# KiCad board cleanrobot-square-main.kicad_pcb
title: EHDS-04-Main; date: 2024-01-20; rev: V0.7.2; company: 奥瓦机器人; note: 115x59x1.6mm 绿油白字，无铅喷锡
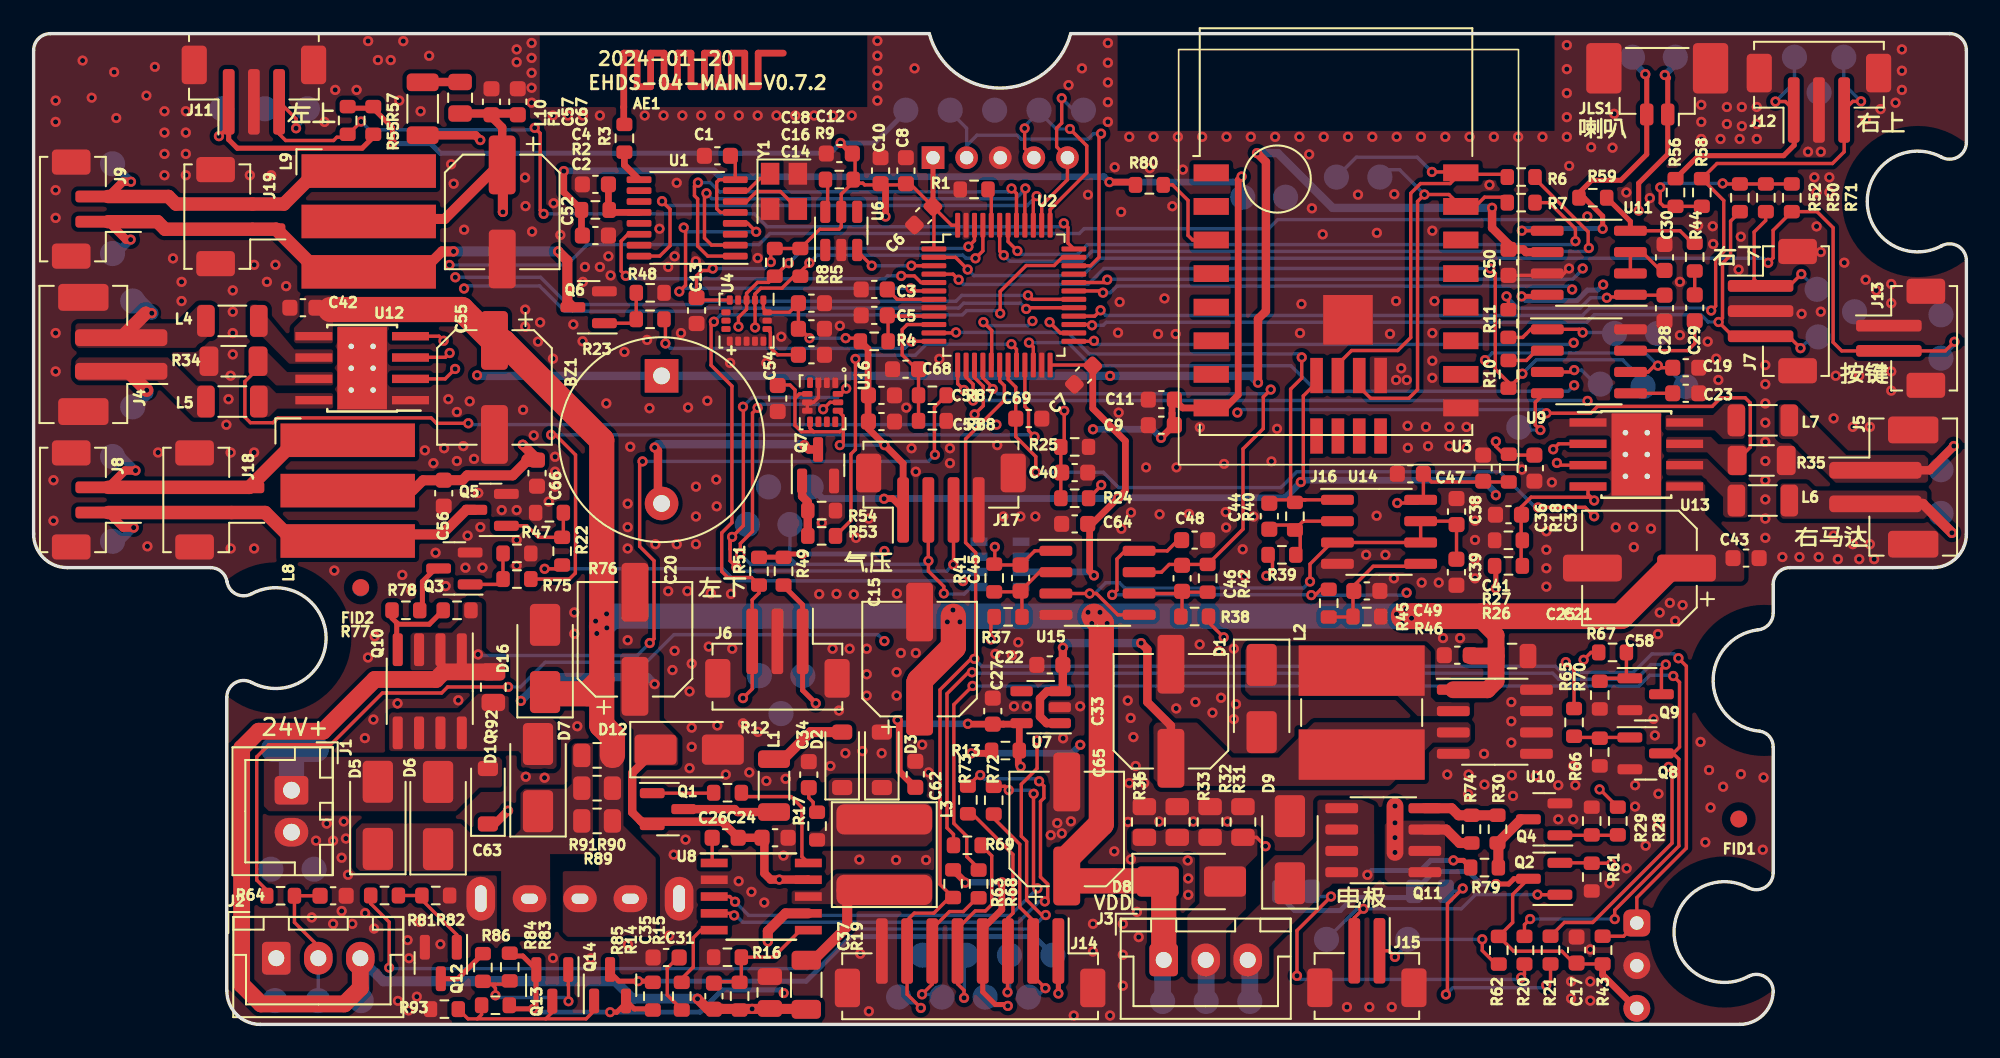
[diagram p0: board, top side]
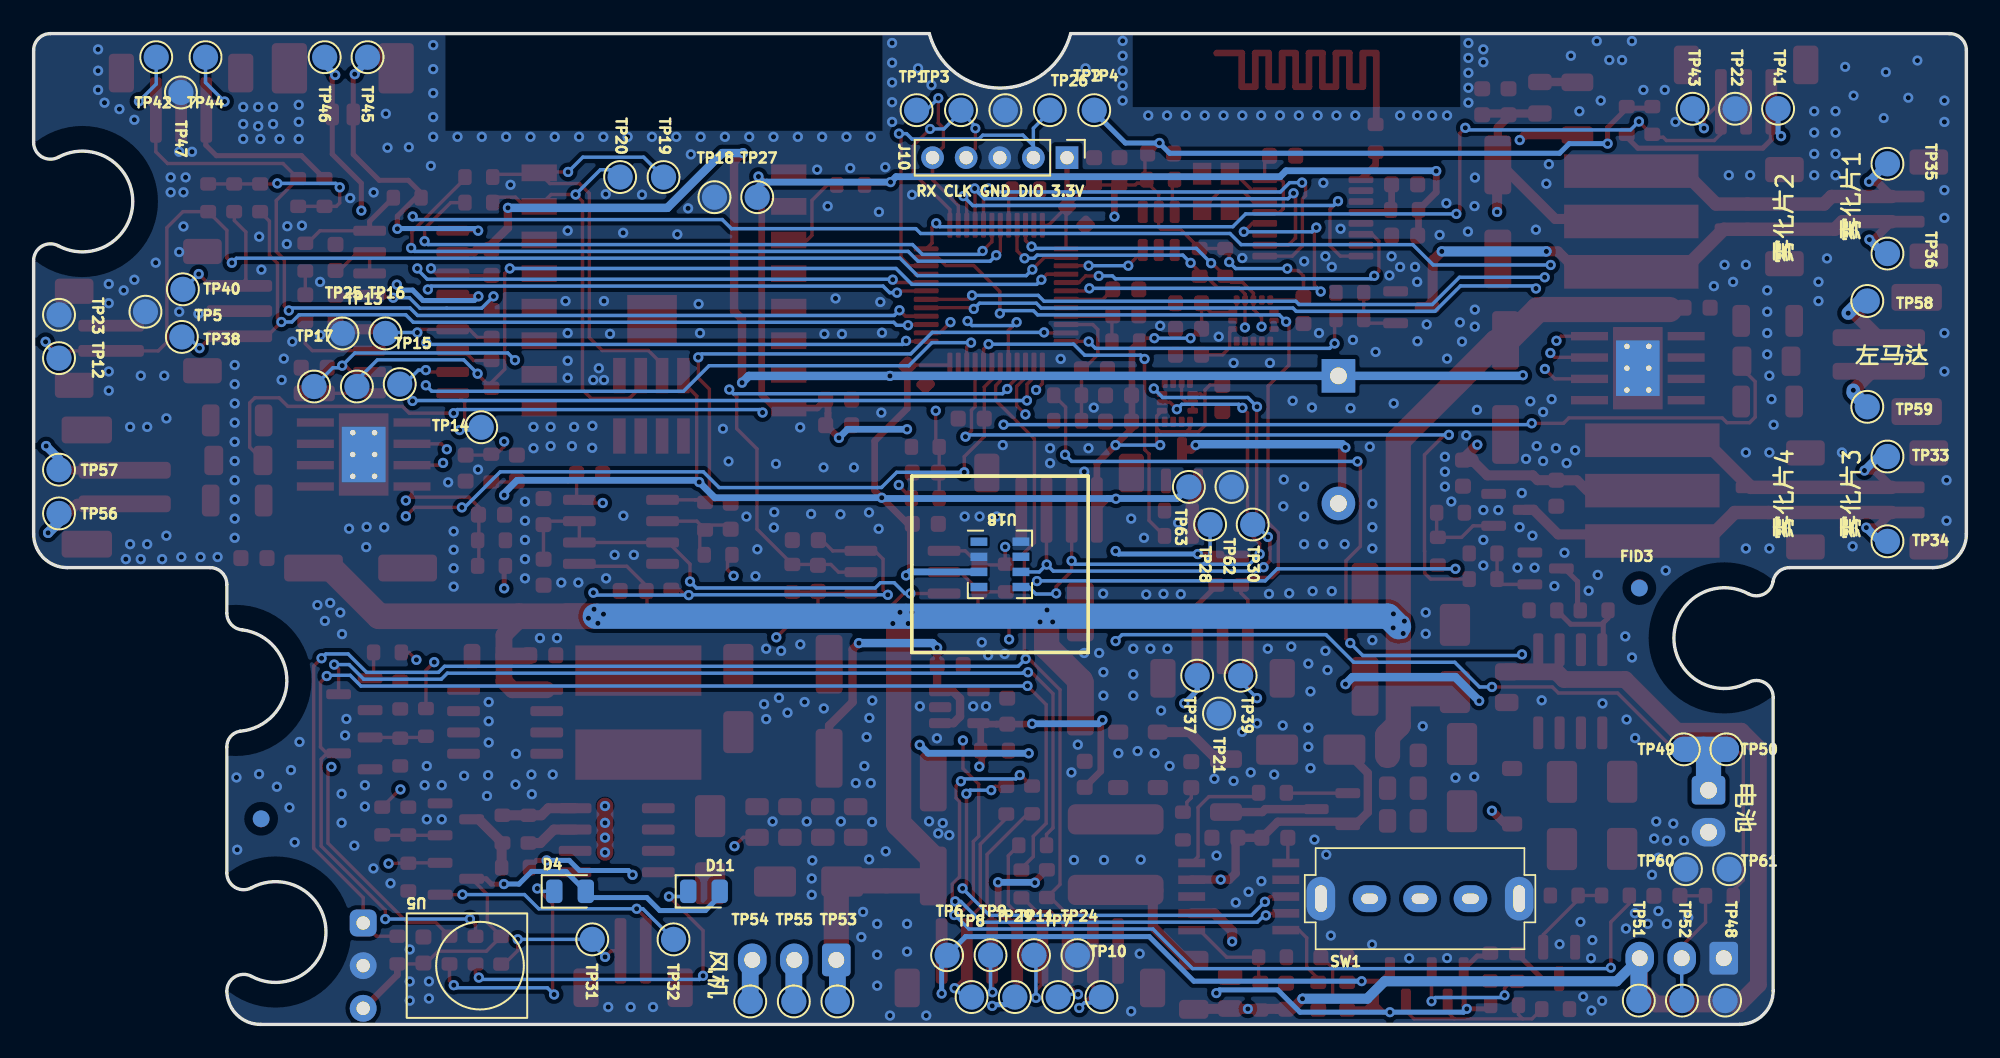
[diagram p1: board, bottom side, seen from below]

Outline 115 x 59 mm; copper layers: Top, In1.Cu, In2.Cu, Bottom. Coordinates in mm from the lower left corner of the outline.
Outline path: 2,27.2 10.52,27.2 arc(11.17,26.96) 11.51,26.36 arc(12.05,25.62) 12.97,25.64 arc(17.4,23.01) 12.98,20.36 ; 2,27.2 arc(0.59,27.79) 0,29.2 0,29.24 0,58 arc(0.29,58.71) 1,59 53.3,59 arc(57.5,55.75) 61.7,59 114,59 arc(114.71,58.71) 115,58 115,52.52 arc(114.51,51.66) 113.53,51.64 arc(109.1,49) 113.53,46.36 arc(114.51,46.34) 115,45.48 115,29.2 arc(114.41,27.79) 113,27.2 104.5,27.2 arc(103.8,26.91) 103.5,26.2 103.5,24.49 arc(103.24,23.81) 102.58,23.49 arc(99.93,20.42) 102.71,17.46 arc(103.29,17.14) 103.5,16.51 103.5,9.02 arc(103.02,8.16) 102.03,8.14 ; 12.97,20.36 arc(11.98,20.34) 11.5,19.48 11.5,2 arc(12.08,0.59) 13.5,0 101.5,0 arc(102.9,0.57) 103.5,1.96 arc(103.02,2.83) 102.03,2.86 ; 102.03,2.86 arc(97.6,5.5) 102.03,8.14
Stack: Top 0.035mm / dielectric 0.1mm FR4 er 4.5 / In1.Cu 0.035mm / dielectric 1.24mm FR4 er 4.5 / In2.Cu 0.035mm / dielectric 0.1mm FR4 er 4.5 / Bottom 0.035mm

## Placement (name value [footprint] x y rotation side)
AE1  Antenna  [Ovo_PA2401_2.4GHz_Right]  35.11 54.62 0 top
BZ1  85dB/5V  [Buzzer_12x9.5RM7.6]  37.36 38.62 270 top
C1  1uF  [C_0603_1608Metric]  40.68 51.72 180 top
C2  1uF  [C_0603_1608Metric]  33.43 46.97 0 top
C3  0.1uF  [C_0603_1608Metric]  50.02 43.76 0 top
C4  0.1uF  [C_0603_1608Metric]  33.43 50.02 180 top
C5  0.1uF  [C_0603_1608Metric]  50.02 42.22 0 top
C6  0.1uF  [C_0603_1608Metric]  52.96 48.15 45 top
C7  0.1uF  [C_0603_1608Metric]  62.47 38.67 45 top
C8  0.1uF  [C_0603_1608Metric]  51.9 50.84 270 top
C9  1uF  [C_0603_1608Metric]  67.1 35.68 180 top
C10  4.7uF  [C_0603_1608Metric]  50.39 50.84 270 top
C11  0.1uF  [C_0603_1608Metric]  67.1 37.2 180 top
C12  0.1uF  [C_0603_1608Metric]  47.94 51.86 180 top
C13  10nF  [C_0603_1608Metric]  39.44 42.51 90 top
C14  0.47uF  [C_0603_1608Metric]  46.28 39.87 180 top
C15  100uF/35V  [CP_Elec_6.3x5.4]  52.72 21.76 90 top
C16  0.1uF  [C_0603_1608Metric]  46.28 41.42 180 top
C17  0.1uF  [C_0603_1608Metric]  91.81 4.43 90 top
C18  2.2uF  [C_0603_1608Metric]  46.28 42.95 180 top
C19  10uF  [C_0603_1608Metric]  98.3 39.1 0 top
C20  100uF/35V  [CP_Elec_6.3x5.4]  35.78 22.93 90 top
C21  10uF/35V  [C_0805_2012Metric]  87.97 21.93 0 top
C22  1uF  [C_0603_1608Metric]  60.47 21.41 180 top
C23  1nF  [C_0603_1608Metric]  98.3 37.58 0 top
C24  0.1uF  [C_0603_1608Metric]  44.12 11.12 0 top
C25  1uF  [C_0603_1608Metric]  84.71 21.98 180 top
C26  0.1uF  [C_0603_1608Metric]  41.15 11.11 180 top
C27  1uF  [C_0603_1608Metric]  57.07 18.65 90 top
C28  1uF  [C_0603_1608Metric]  97.04 42.65 270 top
C29  0.47uF  [C_0603_1608Metric]  98.84 42.67 90 top
C30  1uF  [C_0603_1608Metric]  97.04 45.67 270 top
C31  220nF  [C_0603_1608Metric]  37.63 3.98 180 top
C32  1uF  [C_0603_1608Metric]  89.3 33.12 270 top
C33  220uF/10V  [CP_Elec_6.3x5.4]  67.67 18.65 90 top
C34  1nF  [C_0603_1608Metric]  46.12 14.87 90 top
C35  1.5pF  [C_0603_1608Metric]  40.48 1.68 90 top
C36  1uF  [C_0603_1608Metric]  86.25 33.12 90 top
C37  10uF/35V  [C_0805_2012Metric]  43.81 1.9 90 top
C38  0.1uF  [C_0603_1608Metric]  84.66 30.54 90 top
C39  10nF  [C_0603_1608Metric]  84.66 26.92 270 top
C40  0.1uF  [C_0603_1608Metric]  61.94 32.86 0 top
C41  0.1uF  [C_0603_1608Metric]  87.75 30.35 180 top
C42  0.1uF  [C_0603_1608Metric]  16.02 42.68 180 top
C43  0.1uF  [C_0603_1608Metric]  101.89 27.77 0 top
C44  0.1uF  [C_0603_1608Metric]  73.52 30.26 90 top
C45  0.1uF  [C_0603_1608Metric]  58.73 26.58 90 top
C46  0.1uF  [C_0603_1608Metric]  68.33 26.56 90 top
C47  0.1uF  [C_0603_1608Metric]  81.92 32.78 180 top
C48  0.1uF  [C_0603_1608Metric]  69.08 28.84 0 top
C49  0.1uF  [C_0603_1608Metric]  79.33 25.81 0 top
C50  1uF  [C_0603_1608Metric]  87.76 45.38 270 top
C51  10nF  [C_0603_1608Metric]  50.45 37.46 180 top
C52  220uF/10V  [CP_Elec_6.3x5.4]  27.88 48.38 270 top
C53  0.1uF  [C_0603_1608Metric]  50.45 35.9 180 top
C54  2.2uF  [C_0603_1608Metric]  44.27 37.27 90 top
C55  100uF/35V  [CP_Elec_6.3x5.4]  27.42 37.93 270 top
C56  1uF  [C_0603_1608Metric]  24.4 31.63 270 top
C57  1uF  [C_0603_1608Metric]  27.24 54.94 90 top
C58  100uF/35V  [CP_Elec_6.3x5.4]  95.55 27.18 180 top
C62  0.1uF  [C_0603_1608Metric]  52.46 14.89 90 top
C63  0.1uF  [C_0603_1608Metric]  17.82 7.66 0 top
C64  4.7uF  [C_0603_1608Metric]  61.94 29.8 180 top
C65  100uF/35V  [CP_Elec_6.3x5.4]  61.47 11.64 90 top
C66  0.1uF  [C_0603_1608Metric]  29.95 32.82 270 top
C67  0.1uF  [C_0603_1608Metric]  28.81 54.94 90 top
C68  0.1uF  [C_0603_1608Metric]  51.88 39.01 180 top
C69  1uF  [C_0603_1608Metric]  59.21 36.07 0 top
D1  SS34  [D_SMA]  73.07 19.4 270 top
D2  SS14  [D_SOD-123]  48.11 15.75 90 top
D3  SS14  [D_SOD-123]  50.47 15.75 90 top
D4  BLUE  [LED_0805_2012Metric]  83.08 7.92 180 bottom
D5  SS34  [D_SMA]  20.48 12.45 90 top
D6  SS34  [D_SMA]  24.06 12.44 90 top
D7  SS34  [D_SMA]  30.01 14.7 90 top
D8  1N4004  [D_SMA]  68.89 8.51 0 top
D9  1N4004  [D_SMA]  74.75 10.4 90 top
D10  SS14  [D_SOD-123]  27.03 13.59 90 top
D11  RED  [LED_0805_2012Metric]  75.11 7.92 180 bottom
D12  SMAJ24CA  [D_SMA]  39.01 16.36 0 top
D16  SMAJ24CA  [D_SMA]  30.43 21.79 90 top
F1  MF-PSMF050X  [Fuse_0805_2012Metric]  25.38 55.18 270 top
FID1  Fiducial  [Fiducial_1mm_Mask2mm]  101.46 12.22 0 top
FID2  Fiducial  [Fiducial_1mm_Mask2mm]  19.47 26.02 0 top
FID3  Fiducial  [Fiducial_1mm_Mask2mm]  19.46 25.98 180 bottom
FID4  Fiducial  [Fiducial_1mm_Mask2mm]  101.46 12.24 180 bottom
J1  XHB2.54MM/2A  [JST_XH_B2B-XH-A_1x02_P2.50mm_Vertical]  15.34 13.94 270 top
J2  XH2.54MM/3A  [JST_XH_B3B-XH-A_1x03_P2.50mm_Vertical]  14.44 3.94 0 top
J3  XH2.54MM/3A  [JST_XH_B3B-XH-A_1x03_P2.50mm_Vertical]  67.24 3.84 0 top
J4  PH2.0MM/2ASMT  [JST_PH_B2B-PH-SM4-TB_1x02-1MP_P2.00mm_Vertical]  4.71 39.89 90 top
J5  PH2.0MM/2ASMT  [JST_PH_B2B-PH-SM4-TB_1x02-1MP_P2.00mm_Vertical]  110.09 32 270 top
J6  ZH1.5MM/3ASMT  [JST_ZH_B3B-ZR-SM4-TF_1x03-1MP_P1.50mm_Vertical]  44.26 22.11 180 top
J7  ZH1.5MM/3ASMT  [JST_ZH_B3B-ZR-SM4-TF_1x03-1MP_P1.50mm_Vertical]  103.46 42.47 270 top
J8  ZH1.5MM/2ASMT  [JST_ZH_B2B-ZR-SM4-TF_1x02-1MP_P1.50mm_Vertical]  3.74 31.23 90 top
J9  ZH1.5MM/2ASMT  [JST_ZH_B2B-ZR-SM4-TF_1x02-1MP_P1.50mm_Vertical]  3.74 48.55 90 top
J10  Conn_01x05  [PinHeader_1x05_P2.00mm_Vertical]  53.51 51.61 270 bottom
J11  ZH1.5MM/3ASMT  [JST_ZH_B3B-ZR-SM4-TF_1x03-1MP_P1.50mm_Vertical]  13.11 55.63 0 top
J12  ZH1.5MM/3ASMT  [JST_ZH_B3B-ZR-SM4-TF_1x03-1MP_P1.50mm_Vertical]  106.23 55.15 0 top
J13  ZH1.5MM/2ASMT  [JST_ZH_B2B-ZR-SM4-TF_1x02-1MP_P1.50mm_Vertical]  111.09 40.86 270 top
J14  ZH1.5MM/8ASMT  [JST_ZH_B8B-ZR-SM4-TF_1x08-1MP_P1.50mm_Vertical]  55.72 3.67 180 top
J15  ZH1.5MM/2ASMT  [JST_ZH_B2B-ZR-SM4-TF_1x02-1MP_P1.50mm_Vertical]  79.33 3.68 180 top
J16  PinSocket_1.27MM/2X4SMT  [WBR1_Module_Conn]  78.24 36.84 0 top
J17  ZH1.5MM/4ASMT  [JST_ZH_B4B-ZR-SM4-TF_1x04-1MP_P1.50mm_Vertical]  53.99 31.33 0 top
J18  ZH1.5MM/2ASMT  [JST_ZH_B2B-ZR-SM4-TF_1x02-1MP_P1.50mm_Vertical]  11.08 31.23 90 top
J19  ZH1.5MM/2ASMT  [JST_ZH_B2B-ZR-SM4-TF_1x02-1MP_P1.50mm_Vertical]  12.33 48.1 90 top
JLS1  1.25MM/2ASMT  [Molex_PicoBlade_53398-0271_1x02-1MP_P1.25mm_Vertical]  96.61 55.43 180 top
L1  120R@100MHz/3A  [L_1206_3216Metric]  44.05 14.22 90 top
L2  68uH  [L_GZJ_CD75]  79.02 18.57 270 top
L3  100uH  [L_GZJ_WNR6045]  50.62 10.11 270 top
L4  120R@100MHz/3A  [L_1206_3216Metric]  11.82 41.89 180 top
L5  120R@100MHz/3A  [L_1206_3216Metric]  11.82 37.09 180 top
L6  120R@100MHz/3A  [L_1206_3216Metric]  102.89 31.19 0 top
L7  120R@100MHz/3A  [L_1206_3216Metric]  102.89 35.97 0 top
L8  10/500uH  [L_WLJ_CD0805]  18.69 31.78 90 top
L9  10/500uH  [L_WLJ_CD0805]  19.94 47.81 90 top
L10  120R@100MHz/3A  [L_1206_3216Metric]  23.15 54.52 90 top
Q1  HSS6107  [SOT-23]  37.74 12.82 0 top
Q2  SS8050  [SOT-23]  89.88 8.67 180 top
Q3  SS8050  [SOT-23]  25.04 27.15 180 top
Q4  SS8050  [SOT-23]  89.88 12.21 180 top
Q5  CJ2310  [SOT-23]  27.19 30.64 180 top
Q6  CJ2310  [SOT-23]  33.02 42.7 180 top
Q7  SS8050  [SOT-23]  46.67 33.3 90 top
Q8  SS8050  [SOT-23]  95.92 16.14 0 top
Q9  SS8050  [SOT-23]  95.92 19.66 0 top
Q10  NCE4435  [SOIC-8_3.9x4.9mm_P1.27mm]  23.57 19.84 270 top
Q11  NCE4435  [SOIC-8_3.9x4.9mm_P1.27mm]  80.31 10.97 180 top
Q12  SS8050  [SOT-23]  24.23 3.66 270 top
Q13  SS8550  [SOT-23]  30.86 2.33 270 top
Q14  SI2309  [SOT-23]  34.3 2.33 90 top
R1  10K/1%  [R_0603_1608Metric]  55.96 49.72 0 top
R2  0R  [R_0603_1608Metric]  33.43 48.5 0 top
R3  0R  [R_0603_1608Metric]  35.15 52.76 90 top
R4  0R  [R_0603_1608Metric]  50.02 40.67 180 top
R5  4.7K/1%  [R_0603_1608Metric]  45.62 45.38 90 top
R6  0R  [R_0603_1608Metric]  88.51 50.46 0 top
R7  0R  [R_0603_1608Metric]  88.51 48.93 0 top
R8  4.7K/1%  [R_0603_1608Metric]  44.1 45.38 90 top
R9  10K/1%  [R_0603_1608Metric]  47.94 50.3 180 top
R10  0R  [R_0603_1608Metric]  87.76 38.71 90 top
R11  10K/1%  [R_0603_1608Metric]  87.75 41.73 90 top
R12  51R  [R_0603_1608Metric]  41.29 13.79 0 top
R13  0R  [R_0603_1608Metric]  57.82 16.31 180 top
R14  120R  [R_0603_1608Metric]  38.57 1.68 270 top
R15  1.5M/1%  [R_0603_1608Metric]  42.01 1.68 90 top
R16  120K/1%  [R_0603_1608Metric]  41.29 4 180 top
R17  100R  [R_0603_1608Metric]  46.62 11.81 90 top
R18  0R  [R_0603_1608Metric]  87.77 33.13 270 top
R19  0.5R/1%  [R_1206_3216Metric]  45.97 2.36 270 top
R20  330R  [R_0603_1608Metric]  88.71 4.42 270 top
R21  330R  [R_0603_1608Metric]  90.26 4.42 270 top
R22  1K  [R_0603_1608Metric]  31.45 28.18 90 top
R23  1K  [R_0603_1608Metric]  36.68 41.99 180 top
R24  1M/1%  [R_0603_1608Metric]  61.94 31.33 180 top
R25  100K/1%  [R_0603_1608Metric]  61.94 34.39 0 top
R26  6.8K/1%  [R_0603_1608Metric]  87.75 27.3 0 top
R27  3.3K/1%  [R_0603_1608Metric]  87.75 28.83 180 top
R28  1K  [R_0603_1608Metric]  94.26 12.11 270 top
R29  10K/1%  [R_0603_1608Metric]  92.71 12.11 270 top
R30  680R  [R_0603_1608Metric]  87.1 11.63 270 top
R31  0.1R  [R_0805_2012Metric]  71.96 12.05 90 top
R32  0.1R  [R_0805_2012Metric]  70 12.05 90 top
R33  0.1R  [R_0805_2012Metric]  68.04 12.05 90 top
R34  0.033R/1%(1W)  [R_1206_3216Metric]  11.89 39.49 180 top
R35  0.033R/1%(1W)  [R_1206_3216Metric]  102.82 33.58 0 top
R36  0.1R  [R_0805_2012Metric]  66.09 12.05 90 top
R37  15K/1%  [R_0603_1608Metric]  57.98 24.27 0 top
R38  15K/1%  [R_0603_1608Metric]  69.08 24.29 180 top
R39  15K/1%  [R_0603_1608Metric]  74.27 27.96 0 top
R40  51K/1%  [R_0603_1608Metric]  75.05 30.26 90 top
R41  51K/1%  [R_0603_1608Metric]  57.16 26.58 90 top
R42  51K/1%  [R_0603_1608Metric]  69.86 26.56 90 top
R43  10K/1%  [R_0603_1608Metric]  93.36 4.42 90 top
R44  10K/1%  [R_0603_1608Metric]  98.84 45.69 90 top
R45  10K/1%  [R_0603_1608Metric]  77.06 25.08 270 top
R46  2K/1%  [R_0603_1608Metric]  79.33 24.29 0 top
R47  10K/1%  [R_0603_1608Metric]  30.69 30.47 180 top
R48  10K/1%  [R_0603_1608Metric]  36.68 43.56 0 top
R49  100R  [R_0603_1608Metric]  44.62 26.98 270 top
R50  100R  [R_0603_1608Metric]  103.07 49.22 270 top
R51  10K/1%  [R_0603_1608Metric]  43.16 26.98 270 top
R52  10K/1%  [R_0603_1608Metric]  101.52 49.22 270 top
R53  1K  [R_0603_1608Metric]  46.89 29.09 180 top
R54  10K/1%  [R_0603_1608Metric]  46.89 30.6 0 top
R55  100R  [R_0603_1608Metric]  20.21 53.83 270 top
R56  100R  [R_0603_1608Metric]  97.69 49.54 90 top
R57  10K/1%  [R_0603_1608Metric]  18.69 53.83 270 top
R58  10K/1%  [R_0603_1608Metric]  99.26 49.54 90 top
R59  10K/1%  [R_0603_1608Metric]  92.77 49.23 180 top
R61  470R  [R_0603_1608Metric]  92.71 8.77 270 top
R62  470R  [R_0603_1608Metric]  87.18 4.42 270 top
R63  10K/1%  [R_0603_1608Metric]  54.71 8.38 90 top
R64  10K/1%  [R_0603_1608Metric]  14.7 7.66 0 top
R65  1K  [R_0603_1608Metric]  91.66 17.98 270 top
R66  10K/1%  [R_0603_1608Metric]  93.19 16.22 270 top
R67  1K  [R_0603_1608Metric]  93.95 22.15 0 top
R68  330R  [R_0603_1608Metric]  56.23 8.36 270 top
R69  330R  [R_0603_1608Metric]  55.56 10.67 0 top
R70  10K/1%  [R_0603_1608Metric]  93.19 19.61 270 top
R71  10K/1%  [R_0603_1608Metric]  104.61 49.22 270 top
R72  10K/1%  [R_0603_1608Metric]  57.13 13.35 90 top
R73  10K/1%  [R_0603_1608Metric]  55.59 13.37 90 top
R74  680R  [R_0603_1608Metric]  85.55 11.63 90 top
R75  1K  [R_0603_1608Metric]  28.76 26.52 0 top
R76  10K/1%  [R_0603_1608Metric]  28.76 28.05 180 top
R77  10K/1%  [R_0603_1608Metric]  25.2 24.66 0 top
R78  10K/1%  [R_0603_1608Metric]  22.15 24.66 180 top
R79  0R  [R_0603_1608Metric]  86.33 9.34 180 top
R80  10K/1%  [R_0603_1608Metric]  66.39 49.99 180 top
R81  1K  [R_0603_1608Metric]  20.88 7.68 0 top
R82  10K/1%  [R_0603_1608Metric]  23.93 7.68 0 top
R83  10K/1%  [R_0603_1608Metric]  28.33 3.41 90 top
R84  100K/1%  [R_0603_1608Metric]  26.73 3.39 270 top
R85  0R  [R_0603_1608Metric]  36.84 1.68 90 top
R86  2K/1%  [R_0603_1608Metric]  27.48 1.14 0 top
R87  1M/1%  [R_0603_1608Metric]  53.48 37.46 180 top
R88  100K/1%  [R_0603_1608Metric]  53.48 35.94 0 top
R89  0R  [R_0805_2012Metric]  33.53 12.12 180 top
R90  0R  [R_0805_2012Metric]  33.53 14.07 180 top
R91  0R  [R_0805_2012Metric]  33.53 16.02 180 top
R92  0R  [R_0805_2012Metric]  27.35 20.08 90 top
R93  10K/1%  [R_0603_1608Metric]  24.44 0.91 0 top
SW1  SS-12F44G4  [SW_SS12D44_SPDT_H4mm]  32.51 7.49 0 bottom
TP1  RX  [TestPoint_Pad_D1.5mm]  62.46 54.44 180 bottom
TP2  SWD  [TestPoint_Pad_D1.5mm]  54.54 54.44 180 bottom
TP3  SWC  [TestPoint_Pad_D1.5mm]  59.82 54.44 180 bottom
TP4  3V3  [TestPoint_Pad_D1.5mm]  51.9 54.44 180 bottom
TP5  GND  [TestPoint_Pad_D1.5mm]  108.35 42.44 180 bottom
TP6  V_CHRG_O  [TestPoint_Pad_D1.5mm]  60.65 4.12 180 bottom
TP7  LED_RED  [TestPoint_Pad_D1.5mm]  54.04 1.63 180 bottom
TP8  CHG_ON_LED  [TestPoint_Pad_D1.5mm]  59.19 1.63 180 bottom
TP9  CHG_DONE_LED  [TestPoint_Pad_D1.5mm]  58.06 4.12 180 bottom
TP10  IR_OUT  [TestPoint_Pad_D1.5mm]  51.47 1.63 180 bottom
TP11  LED_BLUE  [TestPoint_Pad_D1.5mm]  55.48 4.12 180 bottom
TP12  START  [TestPoint_Pad_D1.5mm]  113.49 39.67 90 bottom
TP13  DO  [TestPoint_Pad_D1.5mm]  95.76 37.98 180 bottom
TP14  CLK  [TestPoint_Pad_D1.5mm]  88.37 35.56 180 bottom
TP15  DI  [TestPoint_Pad_D1.5mm]  93.22 38.13 180 bottom
TP16  CS  [TestPoint_Pad_D1.5mm]  94.07 41.14 180 bottom
TP17  3V3  [TestPoint_Pad_D1.5mm]  98.31 37.98 180 bottom
TP18  GND  [TestPoint_Pad_D1.5mm]  74.49 49.26 180 bottom
TP19  RXD  [TestPoint_Pad_D1.5mm]  77.52 50.45 270 bottom
TP20  TXD  [TestPoint_Pad_D1.5mm]  80.1 50.45 270 bottom
TP21  GND  [TestPoint_Pad_D1.5mm]  44.47 18.51 270 bottom
TP22  GND  [TestPoint_Pad_D1.5mm]  13.76 54.52 270 bottom
TP23  GND  [TestPoint_Pad_D1.5mm]  113.49 42.25 90 bottom
TP24  GND  [TestPoint_Pad_D1.5mm]  52.89 4.12 180 bottom
TP25  GND  [TestPoint_Pad_D1.5mm]  96.63 41.14 180 bottom
TP26  GND  [TestPoint_Pad_D1.5mm]  57.18 54.44 180 bottom
TP27  +3V3VP  [TestPoint_Pad_D1.5mm]  71.95 49.26 180 bottom
TP28  SCL1  [TestPoint_Pad_D1.5mm]  45 29.77 270 bottom
TP29  3V3  [TestPoint_Pad_D1.5mm]  56.62 1.63 180 bottom
TP30  SDA1  [TestPoint_Pad_D1.5mm]  42.46 29.77 270 bottom
TP31  WATER_DET_P  [TestPoint_Pad_D1.5mm]  81.76 5.06 90 bottom
TP32  WATER_DET_N  [TestPoint_Pad_D1.5mm]  76.93 5.06 90 bottom
TP33  SPRAY_BACK_P  [TestPoint_Pad_D1.5mm]  4.7 33.81 180 bottom
TP34  SPRAY_BACK_N  [TestPoint_Pad_D1.5mm]  4.7 28.77 180 bottom
TP35  SPRAY_FRONT_P  [TestPoint_Pad_D1.5mm]  4.7 51.24 90 bottom
TP36  SPRAY_FRONT_N  [TestPoint_Pad_D1.5mm]  4.7 45.9 90 bottom
TP37  EDGE_DET_LB_OUT  [TestPoint_Pad_D1.5mm]  45.77 20.76 270 bottom
TP38  EDGE_DET_RB  [TestPoint_Pad_D1.5mm]  106.18 40.94 180 bottom
TP39  EDGE_DET_LB  [TestPoint_Pad_D1.5mm]  43.18 20.76 270 bottom
TP40  EDGE_DET_RB_OUT  [TestPoint_Pad_D1.5mm]  106.12 43.77 180 bottom
TP41  EDGE_DET_LT_OUT  [TestPoint_Pad_D1.5mm]  11.21 54.52 270 bottom
TP42  EDGE_DET_RT  [TestPoint_Pad_D1.5mm]  107.71 57.59 180 bottom
TP43  EDGE_DET_LT  [TestPoint_Pad_D1.5mm]  16.29 54.52 270 bottom
TP44  EDGE_DET_RT_OUT  [TestPoint_Pad_D1.5mm]  104.77 57.59 180 bottom
TP45  SPEAKER_P  [TestPoint_Pad_D1.5mm]  95.13 57.59 270 bottom
TP46  SPEAKER_N  [TestPoint_Pad_D1.5mm]  97.68 57.59 270 bottom
TP47  GND  [TestPoint_Pad_D1.5mm]  106.24 55.49 270 bottom
TP48  GND  [TestPoint_Pad_D1.5mm]  14.36 1.42 90 bottom
TP49  24V  [TestPoint_Pad_D1.5mm]  16.82 16.38 180 bottom
TP50  24V  [TestPoint_Pad_D1.5mm]  14.28 16.38 180 bottom
TP51  BATT  [TestPoint_Pad_D1.5mm]  19.49 1.42 90 bottom
TP52  TEMP  [TestPoint_Pad_D1.5mm]  16.92 1.42 90 bottom
TP53  VDD  [TestPoint_Pad_D1.5mm]  67.18 1.37 180 bottom
TP54  FAN_PWM  [TestPoint_Pad_D1.5mm]  72.36 1.37 180 bottom
TP55  FAN_OUT_N  [TestPoint_Pad_D1.5mm]  69.77 1.37 180 bottom
TP56  R_MOTOR_OUT+  [TestPoint_Pad_D1.5mm]  113.49 30.43 180 bottom
TP57  R_MOTOR_OUT-  [TestPoint_Pad_D1.5mm]  113.49 33.03 180 bottom
TP58  L_MOTOR_OUT+  [TestPoint_Pad_D1.5mm]  5.9 43.08 180 bottom
TP59  L_MOTOR_OUT-  [TestPoint_Pad_D1.5mm]  5.9 36.77 180 bottom
TP60  GND  [TestPoint_Pad_D1.5mm]  16.69 9.24 180 bottom
TP61  GND  [TestPoint_Pad_D1.5mm]  14.12 9.24 180 bottom
TP62  GND  [TestPoint_Pad_D1.5mm]  43.73 32 270 bottom
TP63  3V3  [TestPoint_Pad_D1.5mm]  46.26 32 270 bottom
U1  LT8920  [TSSOP-16_4.4x5mm_P0.65mm]  38.89 48.02 180 top
U2  MM32F0144C6P  [LQFP-48_7x7mm_P0.5mm]  57.73 43.42 0 top
U3  BT3L  [Tuya_BT3L]  77.49 43.71 0 top
U4  MPU-6887P  [LGA-16_3x3mm_P0.5mm_LayoutBorder3x5y]  42.42 41.91 270 top
U5  IRM-3640CF45  [Everlight_IRM-3640CF45]  88.44 3.5 180 bottom
U6  PMS150C-U06(0xD407B2)  [SOT-23-6]  48.05 47.25 90 top
U7  DS8562-33S5  [SOT-23-5]  59.92 18.89 180 top
U8  CN3765  [SSOP-10_3.9x4.9mm_P1.00mm]  43.3 7.61 0 top
U9  WT588F02B-8S-B2(EHDS-01)  [SOIC-8_3.9x4.9mm_P1.27mm]  92.54 39.48 0 top
U10  XL1509-5.0E1  [SOIC-8_3.9x4.9mm_P1.27mm]  86.94 18.02 0 top
U11  8002A  [SOIC-8_3.9x4.9mm_P1.27mm]  92.53 45.35 180 top
U12  DRV8870DDAR  [Texas_HTSOP-8-1EP_3.9x4.9mm_P1.27mm_EP2.95x4.9mm_Mask2.4x3.1mm_ThermalVias]  19.55 39.07 180 top
U13  DRV8870DDAR  [Texas_HTSOP-8-1EP_3.9x4.9mm_P1.27mm_EP2.95x4.9mm_Mask2.4x3.1mm_ThermalVias]  95.36 33.93 0 top
U14  LMV358TP-SR  [SOIC-8_3.9x4.9mm_P1.27mm]  80.05 29.33 0 top
U15  LMV358TP-SR  [SOIC-8_3.9x4.9mm_P1.27mm]  63.3 26.29 0 top
U16  LSM6DSR  [LGA-14_3x2.5mm_P0.5mm_LayoutBorder3x4y]  46.95 37.04 270 top
U18  HP203B  [HOPERF_LGA-8_3.8x3.6mm_P0.9mm]  57.5 27.39 180 bottom
Y1  12MHz/12pF(10ppm)  [Oscillator_SMD_Abracon_ASE-4Pin_3.2x2.5mm]  44.65 49.6 270 top

## Library data of the parts
BZ1 = -: Description: Buzzer, polarized
C1-C14 C16-C19 C21-C32 C34-C51 C53 C54 C56 C57 C62 C63 C66-C69 = -: Description: Unpolarized capacitor
C15 C20 C33 C52 C55 C58 C65 = -: Description: Polarized capacitor
D1-D3 D5-D10 = -: Description: Diode
D4 D11 = -: Description: Light emitting diode
D12 D16 = -: Description: Zener diode
F1 = -: Description: Fuse
FID1-FID4 = -: Description: Fiducial Marker
J1 = -: Description: Generic connector, single row, 01x02, script generated (kicad-library-utils/schlib/autogen/connector/)
J2 J3 = -: Description: Generic connector, single row, 01x03, script generated (kicad-library-utils/schlib/autogen/connector/)
J4 J5 J8 J9 J13 J15 J18 J19 JLS1 = -: Description: Generic connectable mounting pin connector, single row, 01x02, script generated (kicad-library-utils/schlib/autogen/connector/)
J6 J7 J11 J12 = -: Description: Generic connectable mounting pin connector, single row, 01x03, script generated (kicad-library-utils/schlib/autogen/connector/)
J10 = -: Description: Generic connector, single row, 01x05, script generated (kicad-library-utils/schlib/autogen/connector/)
J14 = -: Description: Generic connectable mounting pin connector, single row, 01x08, script generated (kicad-library-utils/schlib/autogen/connector/)
J16 = -: Description: Generic connector, double row, 02x04, odd/even pin numbering scheme (row 1 odd numbers, row 2 even numbers), script generated (kicad-library-utils/schlib/autogen/connector/)
J17 = -: Description: Generic connectable mounting pin connector, single row, 01x04, script generated (kicad-library-utils/schlib/autogen/connector/)
L1-L7 L10 = -: Description: Inductor symbol for simulation only
Q1 Q14 = -: Description: P-MOSFET transistor, gate/source/drain
Q2-Q4 Q7-Q9 Q12 = -: Description: NPN transistor, base/emitter/collector
Q5 Q6 = -: Description: N-MOSFET transistor, gate/source/drain
Q10 Q11 = -: Description: -5.3A Id, -30V Vds, P-Channel MOSFET, 50mOhm Ron, SO-8
Q13 = -: Description: PNP transistor, base/emitter/collector
R1-R59 R61-R93 = -: Description: Resistor
TP1-TP63 = -: Description: test point (alternative probe-style design)
U2 = -: Description: ARM Cortex-M0 MCU, 64KB flash, 8KB RAM, 48MHz, 2.4-3.6V, 39 GPIO, LQFP-48
U5 = -: Description: IR Receiver Modules for Remote Control Systems
U12 U13 = -: Description: Brushed DC Motor Driver, PWM Control, 45V, 3.6A, Dynamic current limiting, HTSOP-8
U14 U15 = -: Description: 1MHz, Low-Power Op Amp, SOIC-8
U16 = -: Description: I2C/SPI, iNEMO inertial module: always-on 3D accelerometer and 3D gyroscope
Y1 = -: Description: Four pin crystal, GND on pins 2 and 4
